# Altium PCB mb1260.PcbDoc (part 4 of 7)
Units mil, origin at the board's own origin, x right, y up, seen from the top; angles counter-clockwise.
Board outline 3189.01 x 3818.89 mil, 6 copper layers (TOP, L2_GND, L3_VCC, L4_SIG, L5_GND, BOTTOM), stack 62.2 mil thick; 308 components, 287 nets, 1220 pads, 851 vias.
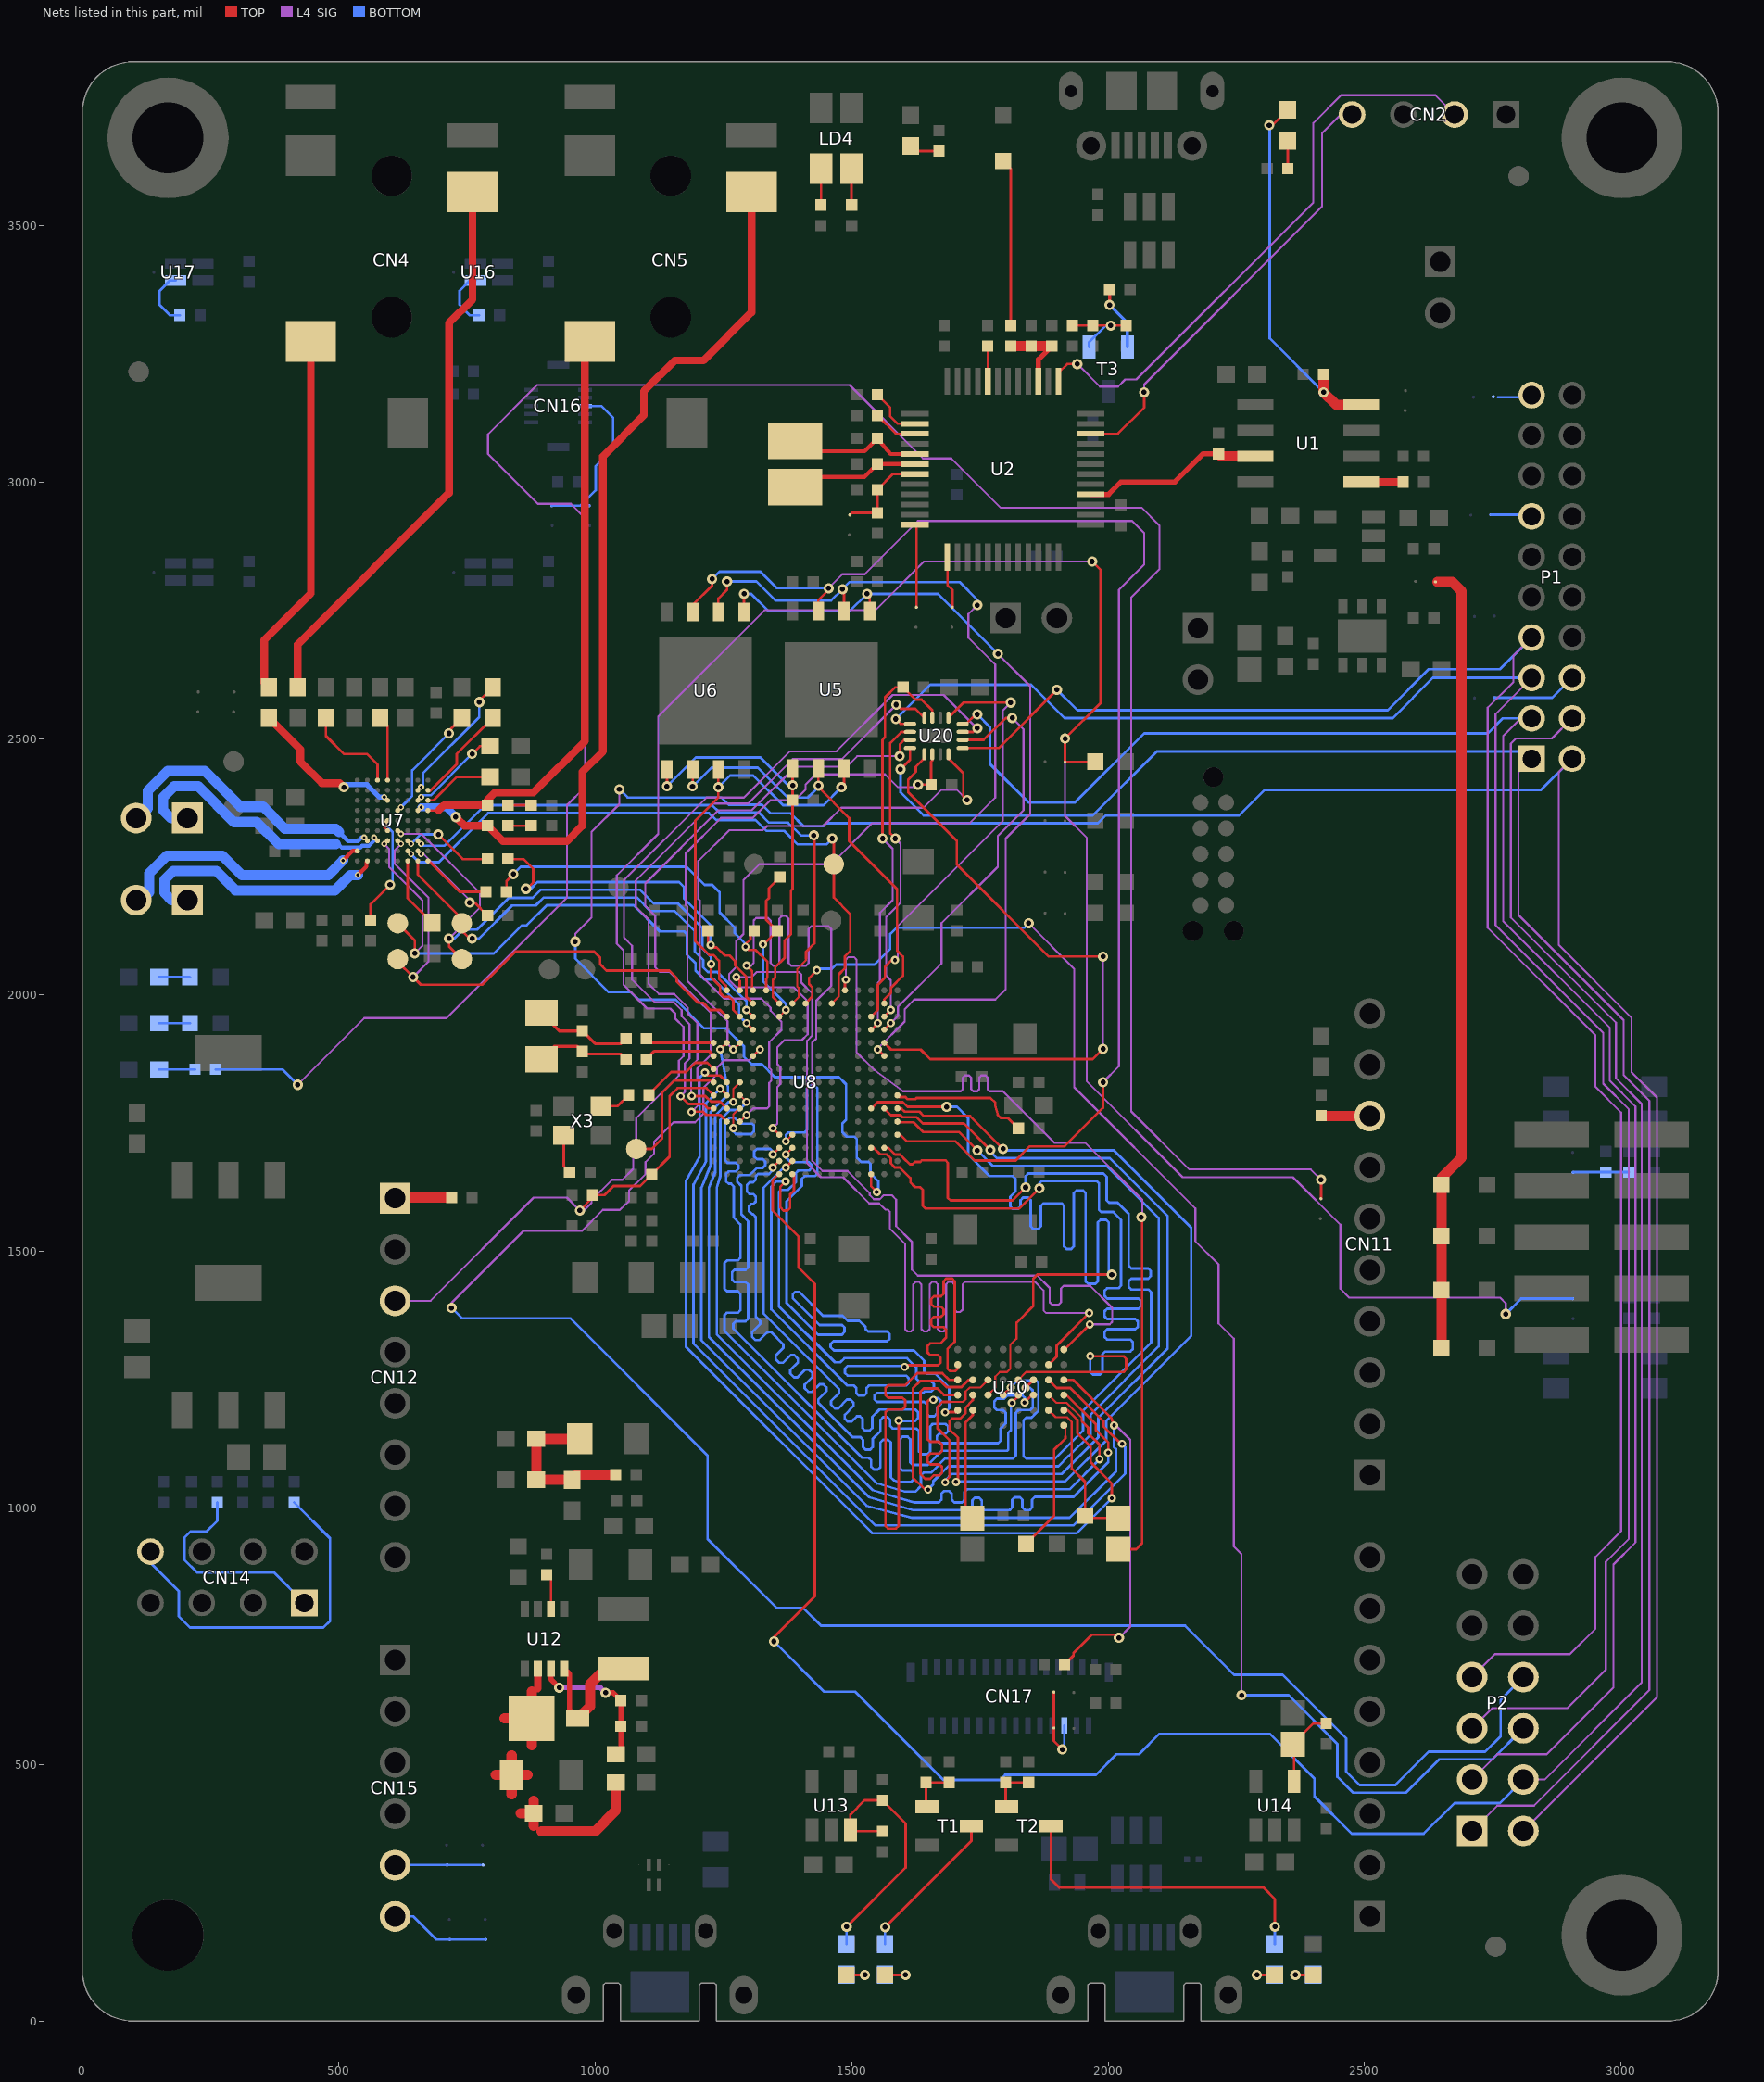
[diagram p8: the nets of this part, all layers, seen from the top]

## Via types
v1: diameter 24, hole 12, TOP to BOTTOM, tented both sides, 389 vias
v2: diameter 20, hole 10, TOP to BOTTOM, tented both sides, 231 vias
v3: diameter 16, hole 8, TOP to BOTTOM, tented both sides, 196 vias
v4: diameter 12, hole 6, TOP to BOTTOM, tented both sides, 35 vias

## Nets (pads, with @x,y where several pads share a name; then routed paths per layer and width w, separated by ;. In a path a pad name is that pad's centre, name@x,y a point inside that pad or via, vN(x,y) a via of type N, cw(c..) or ccw(c..) an arc to the next point about the centre after c; other vN are vias at no path point) (continued)
NETC18_2: C18.2 CN4.4 | length 1106.2
  TOP w15: C18.2@420,2600 420,2683.37 715,2978.37 715,3310 760.63,3355.63 CN4.4@760.63,3565.11
NETC19_2: C19.2 U7.C9 | length 189.2
  TOP w5: C19.2@475,2540 475,2505 510,2470 555,2470 575.47,2449.53 U7.C9@575.47,2418.74
NETC21_1: C21.1 U7.D9 | length 127.5
  TOP w5: C21.1@580,2540 595.16,2524.84 U7.D9@595.16,2418.74
NETC24_1: C24.1 U7.E6 | length 232.2
  TOP w5: U7.E6@614.84,2359.69 v4(621.14,2365.99) ; v2(715,2510) 715,2515 C24.1@740,2540
  BOTTOM w5: v4(621.14,2365.99) 643,2387.85 643,2438 v2(715,2510)
NETC25_1: C25.1 U7.H8 | length 196.2
  TOP w5: U7.H8@673.9,2399.06 679.06,2399.06 730,2450 730,2470 C25.1@800,2540
NETC25_2: C25.2 U7.G8 | length 261.3
  TOP w5: U7.G8@654.21,2399.06 v4(660.51,2405.36) ; v2(774,2571) 774,2574 C25.2@800,2600
  BOTTOM w5: v4(660.51,2405.36) 664.05,2408.9 664.05,2432.05 774,2542 v2(774,2571)
NETC26_1: C26.1 U7.G7 | length 184.5
  TOP w5: U7.G7@654.21,2379.37 v4(660.51,2385.67) ; v2(760,2470) 775,2485 C26.1@795,2485
  BOTTOM w5: v4(660.51,2385.67) 664.06,2389.22 679.22,2389.22 v2(760,2470)
NETC27_1: C27.1 U7.D7 | length 315.9
  TOP w5: v4(588.86,2385.67) U7.D7@595.16,2379.37
  TOP w15: C27.1@364,2540 425,2479 425,2455 467,2413 502,2413 v2(510,2405)
  BOTTOM w10: v2(510,2405) 515,2410 555,2410 579.33,2385.67 v4(588.86,2385.67)
NETC27_2: C27.2 CN4.6 | length 715.1
  TOP w15: C27.2@364,2600 355,2609 355,2692 445.67,2782.67 CN4.6@445.67,3273.78
NETC28_1: C28.1 U7.H7 | length 140
  TOP w5: U7.H7@673.9,2379.37 684.37,2379.37 730,2425 C28.1@795,2425
NETC30_1: C30.1 CN5.6 U7.H6 | length 1150.8
  TOP w5: U7.H6@673.9,2359.69 694.69,2359.69
  TOP w15: 694.69,2359.69 705,2370 C30.1@790,2370 790,2380 805,2395 880,2395 980,2495 980,3264.1 CN5.6@989.68,3273.78
NETC30_2: C30.2 R31.1 | length 45
  TOP w5: C30.2@830,2370 R31.1@875,2370
NETC32_1: C32.1 CN5.4 U7.G6 | length 1761.1
  TOP w5: U7.G6@654.21,2359.69 v4(660.51,2365.99)
  TOP w15: v2@732.57,2342.43 745,2330 C32.1@790,2330 820,2300 945,2300 975,2330 975,2435 1015,2475 1015,3050 1095,3130 1095,3177 1155,3237 1211,3237 1304.64,3330.64 CN5.4@1304.64,3565.11
  BOTTOM w15: v4(660.51,2365.99) 709.01,2365.99 v2(728,2347)
NETC32_2: C32.2 R33.1 | length 45
  TOP w5: C32.2@830,2330 R33.1@875,2330
NETC43_2: C43.2 U7.F1 | length 139.9
  TOP w5: U7.F1@634.53,2261.26 634.53,2188.47 C43.2@682,2141
NETC48_2: C48.2 R49.1 X2.1 | length 194.1
  TOP w6: X2.1@895,1965.28 930.28,1930 C48.2@975,1930 1000,1905 1050,1905 R49.1@1060,1915
NETC51_2: C51.2 R50.1 X2.2 | length 185.8
  TOP w6: X2.2@895,1874.72 920.28,1900 965,1900 C51.2@975,1890 980,1885 1050,1885 R50.1@1060,1875
NETC67_1: C67.1 C69.2 L2.2 L3.2 L4.1 | length 324.1
  TOP w20: C67.1@970,1135 L2.2@885,1135 L3.2@885,1055 L4.1@955,1055 965,1065 C69.2@1040,1065
NETC75_2: C75.2 C76.2 L8.1 U12.6 Z1.2 | length 625
  TOP w15: 888.2,648.2 U12.6@888.2,686.93
  TOP w20: 805.98,480 C75.2@837,480 ; 822.98,590 Z1.2@876,590 ; 837,441.98 C75.2@837,480 ; 837,518.02 C75.2@837,480 ; 854.48,405 C76.2@880,405 ; 868.02,480 C75.2@837,480 ; 876,537.48 Z1.2@876,590 ; 876,642.52 Z1.2@876,590 ; 880,380.98 C76.2@880,405 ; 880,429.02 C76.2@880,405 ; 895,370 1000,370 1040,410 L8.1@1040,465
NETC86_2: C86.2 R90.1 SB33.2 | length 109.2
  BOTTOM w5: SB33.2@2906.19,1654.17 2907.02,1655 C86.2@2970,1655 R90.1@3015,1655
NETCN7_1: CN7.1 U7.C3 | length 568.3
  TOP w5: v4(569.17,2306.93) U7.C3@575.47,2300.63
  BOTTOM w8: 494.4,2294.1 496.79,2294.1 ; 497.4,2293.49 499.59,2293.49 506.05,2287.03 542.03,2287.03 545.66,2290.66 558.54,2290.66 569.17,2301.29 v4(569.17,2306.93)
  BOTTOM w20: CN7.1@205,2345 172.57,2345 157.79,2359.78 157.79,2385.42 179.06,2406.69 226.31,2406.69 296,2337 340,2337 382.9,2294.1 494.4,2294.1
NETCN7_2: CN7.2 U7.B3 | length 570.6
  TOP w5: v4(549.49,2306.93) U7.B3@555.79,2300.63
  BOTTOM w8: 501,2317.4 518.43,2299.97 537.49,2299.97 544.45,2306.93 v4(549.49,2306.93)
  BOTTOM w20: CN7.2@105,2345 108.91,2345 127.89,2363.98 127.89,2397.81 166.67,2436.59 238.7,2436.59 308.39,2366.9 352.39,2366.9 395.29,2324 494.4,2324 501,2317.4
NETCN10_1: CN10.1 U7.B1 | length 524.1
  TOP w8: v4(537.4,2233.87) 553.9,2250.37 553.9,2259.37 U7.B1@555.79,2261.26
  BOTTOM w20: CN10.1@205,2185 174,2185 160,2199 160,2224.71 177.29,2242 261,2242 298.9,2204.1 492.48,2204.1 522.25,2233.87 v4(537.4,2233.87)
NETCN10_2: CN10.2 U7.A2 | length 524
  TOP w8: v4(508.35,2262.34) 526.95,2280.94 U7.A2@536.1,2280.94
  BOTTOM w20: CN10.2@105,2185 115,2185 130.1,2200.1 130.1,2237.1 164.9,2271.9 273.39,2271.9 311.29,2234 480.09,2234 v4(508.35,2262.34) v4(508.35,2262.34)
NETCN11_8: CN11.8 R53.1 | length 95.3
  TOP w20: R53.1@2415,1765 2416.06,1763.94 CN11.8@2509.84,1763.94
NETCN12_1: CN12.1 R58.1 | length 110.6
  TOP w20: CN12.1@609.84,1603.94 610.9,1605 R58.1@720,1605
NETCN14_1: CN14.1 R92.2 | length 425.5
  BOTTOM w5: R92.2@263,1011 263,975 242,954 211,954 199,942 199,899 224,874 373.99,874 CN14.1@432.99,815
NETCN14_8: CN14.8 R97.1 | length 718.3
  BOTTOM w5: CN14.8@132.99,915 132.99,893.01 188,838 188,789 210,767 470,767 483,780 483,941 R97.1@413,1011
NETCN15_5: CN15.5 SB35.2 SB36.2 | length 166.4
  BOTTOM w5: CN15.5@609.84,303.94 610.07,304.17 SB36.2@711.19,304.17 776.19,304.17
NETCN15_6: CN15.6 SB37.2 SB38.2 | length 195.2
  BOTTOM w5: CN15.6@609.84,203.94 645,203.94 689.91,159.03 SB38.2@716.39,159.03 SB37.2@786.39,159.03
NETCN16_8: CN16.8 SB2.1 SB4.1 | length 335.5
  BOTTOM w5: SB2.1@915.17,2953.77 970.85,2953.77 ; CN16.8@979.91,3148.16 1011.84,3148.16 1035,3125 1035,3065 1000.84,3030.84 1000.84,2983.76 970.85,2953.77 ; SB4.1@988.17,2953.77 970.85,2953.77
NETCN17_24: CN17.24 SB15.2 SB16.2 | length 166.6
  TOP w5: SB15.2@1894.17,641.19 SB16.2@1894.17,571.19 1894.17,545.83 v2(1910.55,529.45)
  BOTTOM w5: v2(1910.55,529.45) 1914.45,533.35 CN17.24@1914.45,575.91
NETD1_2: D1.2 R4.2 | length 326.9
  TOP w5: D1.2@1795,3625.71 1810,3610.71 R4.2@1810,3305
NETD2_2: D2.2 D3.2 D4.2 D5.2 SB7.1 | length 1545.5
  TOP w20: 2642.33,2805.33 2670.67,2805.33 2689,2787 2689,1683 2649.71,1643.71 D5.2@2649.71,1630 D4.2@2649.71,1530 D3.2@2649.71,1425 D2.2@2649.71,1312
NETL6_2: L6.2 U12.8 Z1.1 | length 262.3
  TOP w10: U12.8@939.39,686.93 950,676.32 950,606 Z1.1@966,590
  TOP w20: Z1.1@966,590 990,614 990,657 1020,687 L6.2@1055,687
NETL7_2: L7.2 R69.2 R71.2 U12.7 | length 283.1
  TOP w10: U12.7@913.8,686.93 913.8,666.2 v2(930,650) ; v2(1020,640) 1035,640 R69.2@1050,625 R71.2@1050,575 1050,530 L7.2@1040,520
  L4_SIG w10: v2(930,650) 1010,650 v2(1020,640)
NETLD1_1: LD1.1 R12.1 | length 70
  BOTTOM w5: LD1.1@150,1855 R12.1@220,1855
NETLD2_1: LD2.1 R1.2 | length 59.1
  TOP w5: LD2.1@1615,3655 1625,3645 R1.2@1670,3645
NETLD3_1: LD3.1 R2.1 | length 55
  TOP w5: R2.1@2350,3610.59 LD3.1@2350,3665.59
NETLD3_2: LD3.2 R15.1 U1.8 | length 731.6
  TOP w5: v2(2314,3695.59) 2320,3695.59 LD3.2@2350,3725.59
  TOP w20: R15.1@2420,3210 v2(2420,3175) 2445,3150 U1.8@2493.3,3150
  BOTTOM w5: v2(2314,3695.59) 2315,3694.59 2315,3280 v2(2420,3175)
NETLD4_2: LD4.2 R14.2 | length 71.1
  TOP w5: LD4.2@1499.53,3610.94 1499.53,3540.47 R14.2@1500,3540
NETLD4_3: LD4.3 R13.2 | length 71.1
  TOP w5: R13.2@1440,3540 1440.47,3540.47 LD4.3@1440.47,3610.94
NETLD5_1: LD5.1 R47.2 | length 60
  BOTTOM w5: LD5.1@150,2035 R47.2@210,2035
NETLD6_1: LD6.1 R48.2 | length 60
  BOTTOM w5: LD6.1@150,1945 R48.2@210,1945
NETLD7_1: LD7.1 R81.2 | length 72
  TOP w5: R81.2@1490,90 v2(1526,90)
  BOTTOM w5: LD7.1@1490,90 v2(1526,90)
NETLD7_2: LD7.2 R78.1 R80.2 U13.3 | length 513.9
  TOP w5: v2(1490,184) 1605,299 1605,385 R78.1@1560,430 1525,430 1497.4,402.4 U13.3@1497.4,372.76 1499.33,370.38 1499.64,370 R80.2@1560,370
  BOTTOM w5: LD7.2@1490,150 v2(1490,184)
NETLD8_1: LD8.1 R82.1 | length 80
  TOP w5: R82.1@1565,90 v2(1605,90)
  BOTTOM w5: LD8.1@1565,90 v2(1605,90)
NETLD8_2: LD8.2 T1.3 | length 299.7
  TOP w5: v2(1565,183) 1733.31,351.31 T1.3@1733.31,380
  BOTTOM w5: LD8.2@1565,150 v2(1565,183)
NETLD9_1: LD9.1 R83.1 | length 70
  TOP w5: v2(2290,90) R83.1@2325,90
  BOTTOM w5: v2(2290,90) LD9.1@2325,90
NETLD9_2: LD9.2 T2.3 | length 644
  TOP w5: T2.3@1888.31,380 1888.31,276.69 1905,260 2303,260 2325,238 v2(2325,184)
  BOTTOM w5: LD9.2@2325,150 v2(2325,184)
NETLD10_1: LD10.1 R84.1 | length 70
  TOP w5: v2(2365,90) R84.1@2400,90
  BOTTOM w5: v2(2365,90) LD10.1@2400,90
NETR3_2: R3.2 U2.44 | length 68.9
  TOP w5: R3.2@1765,3265 1765.47,3264.53 U2.44@1765.47,3196.26
NETR7_1: R7.1 R8.2 R11.2 T3.1 | length 170.1
  TOP w5: R7.1@1930,3305 R8.2@1970,3305 v2(2005,3305) R11.2@2035,3305
  BOTTOM w5: T3.1@1962.6,3263.31 1962.6,3272.6 1995,3305 v2(2005,3305)
NETR10_1: R10.1 T3.2 | length 126.1
  TOP w6.1: v2(2002.6,3345) R10.1@2002.6,3375
  BOTTOM w6.1: v2(2002.6,3345) 2037.4,3310.2 T3.2@2037.4,3263.31
NETR12_2: R12.2 SB14.1 | length 4971.4
  TOP w5: SB14.1@2415,1603.01 v2(2415,1640)
  L4_SIG w4: v2(420,1825) 550,1955 710,1955 945,2190 945,2370 980,2405 980,2930 952.67,2957.33 888.13,2957.33 790.94,3054.52 790.94,3092.96 886.98,3189 1496,3189 1639,3046 1694,3046 1790,2950 2065,2950 2100,2915 2100,2830 2045,2775 2045,1773 2158,1660 2395,1660 v2(2415,1640)
  BOTTOM w5: R12.2@260,1855 390,1855 v2(420,1825)
NETR17_2: R17.2 U2.2 | length 107.1
  TOP w5: R17.2@1550,3170 1575,3145 1575,3128 1589.42,3113.58 U2.2@1623.74,3113.58
NETR19_2: R19.2 U2.3 | length 88.7
  TOP w5: R19.2@1550,3130 1586.1,3093.9 U2.3@1623.74,3093.9
NETR22_1: R22.1 U1.5 | length 81.7
  TOP w15: U1.5@2493.3,3000 R22.1@2575,3000
NETR35_2: R35.2 U7.F3 | length 185.7
  TOP w5: U7.F3@634.53,2300.63 v4(640.83,2294.33) ; v2(694,2313) 742,2265 R35.2@790,2265
  BOTTOM w5: v4(640.83,2294.33) 659.5,2313 v2(694,2313)
NETR39_2: R39.2 U7.H1 | length 138.1
  TOP w5: U7.H1@673.9,2261.26 675.15,2260.01 676.68,2260.01 735.69,2201 R39.2@787,2201
NETR41_2: R41.2 U7.G2 | length 191
  TOP w5: U7.G2@654.21,2280.94 v4(660.51,2274.64) ; v2(755,2180) 765,2180 R41.2@790,2155
  L4_SIG w4: v4(660.51,2274.64) 665.52,2274.64 755,2185.16 v2(755,2180)
NETR46_1: R46.1 U7.D4 U7.D5 | length 237.1
  TOP w5: R46.1@562,2146 562,2177 v2(600,2215) ; U7.D4@595.16,2320.31 588.85,2326.62 v4(588.85,2333.7) U7.D5@595.16,2340
  BOTTOM w5: v4(588.85,2333.7) 605,2317.55 605,2220 v2(600,2215)
NETR55_2: R55.2 X3.1 | length 76.2
  TOP w5: X3.1@938.58,1726.46 938.58,1666.42 R55.2@950,1655
NETR63_1: R63.1 R65.2 U10.B5 | length 315.2
  TOP w4: U10.B5@1883.82,1190.71 1897.53,1177 1920,1177 1929,1168 1929,1145
  TOP w5: 1929,1145 1929,1077 1955,1051 R63.1@1955,985 1959.49,980.51 R65.2@2020,980.51
NETR64_2: R64.2 U10.G5 | length 221.5
  TOP w5: R64.2@1735,980.51 1722,993.51 1722,1167 1736.18,1181.18 U10.G5@1736.18,1190.71
NETR67_2: R67.2 U12.2 | length 70.6
  TOP w5: R67.2@905,870 913.8,861.2 U12.2@913.8,803.07
NETR72_2: R72.2 R73.1 U14.4 | length 155.3
  TOP w5: U14.4@2362.4,467.24 2362.4,537.09 R72.2@2360,539.49 2360,540 2400,580 R73.1@2425,580
NETR74_1: R74.1 R75.1 T1.1 | length 93.3
  TOP w5: T1.1@1646.69,417.4 1645,419.09 R74.1@1645,465 R75.1@1690,465
NETR76_2: R76.2 R77.1 T2.1 | length 93.3
  TOP w5: T2.1@1801.69,417.4 1800,419.09 R76.2@1800,465 R77.1@1845,465
NETR85_1: R85.1 U16.2 | length 113.7
  BOTTOM w5: U16.2@766.5,3392.68 755.29,3392.68 735.29,3372.68 735.29,3345.32 755.61,3325 R85.1@773.74,3325
NETR86_1: R86.1 U17.2 | length 114.6
  BOTTOM w5: U17.2@181.89,3392.68 170.68,3392.68 150.68,3372.68 150.68,3345.32 171,3325 R86.1@190,3325
NETR100_1: R100.1 U10.A6 | length 264.2
  TOP w4: U10.A6@1913.35,1161.18 1916.5,1158.03 1916.5,1140
  TOP w5: R100.1@1840,930 1894.51,984.51 1894.51,1113.51 1916.5,1135.5 1916.5,1140
NRST: C93.2 CN12.3 R28.2 R57.1 SB10.2 SB34.1 U8.J1 | length 5444.3
  TOP w5: v2(970,1580) 995,1605 C93.2@995,1610 1018.17,1610 1035.67,1627.5 1087.5,1627.5 R57.1@1110,1650 1145,1685 1145,1803 1160.5,1818.5 1216.78,1818.5 U8.J1@1230.87,1804.41 ; v2(1969,2845) 1985,2829 1985,2569.17 v2(1915.83,2500) SB10.2@1915.83,2453.81 1973.81,2453.81 R28.2@1975,2455
  L4_SIG w4: CN12.3@609.84,1403.94 678.94,1403.94 880,1605 945,1605 v2(970,1580) 978.02,1580 993,1594.98 993,1599.98 1033.02,1640 1053.1,1640 1074.03,1660.93 1074.03,1684.09 1080,1690.06 1080,1760 1163,1843 1163,1871.94 1172,1880.94 1172,1938 1156.35,1953.65 1156.35,1963.78 1146.4,1973.73 1101.27,1973.73 1055,2020 1055,2087 1042,2100 1042,2233 1123,2314 1123,2543 1330,2750 1546,2750 1641,2845 v2(1969,2845) ; v2(1915.83,2500) 1915.83,2349.17 1958,2307 1958,1832 2145,1645 2360,1645 2452.5,1552.5 2452.5,1427.5 2470,1410 2764,1410 2775,1399 v2(2775,1378)
  BOTTOM w5: v2(2775,1378) 2805.01,1408.01 SB34.1@2905.33,1408.01
OSC_25M: R51.1 X3.3 | length 62.5
  TOP w5: X3.3@1011.42,1783.54 1043.54,1783.54 R51.1@1065,1805
OSC_IN: C4.2 U2.5 X1.2 | length 266.7
  TOP w8: X1.2@1390,3080.28 1410.28,3060 1525,3060 C4.2@1550,3085 1575.47,3054.53 U2.5@1623.74,3054.53
OSC_OUT: C6.2 U2.6 X1.1 | length 252.5
  TOP w8: X1.1@1390,2989.72 1410,3009.72 1524.72,3009.72 C6.2@1550,3035 1554.84,3034.84 U2.6@1623.74,3034.84
PC14-OSC32_IN: R49.2 U8.E1 | length 134.3
  TOP w6: R49.2@1100,1915 1108.23,1906.77 U8.E1@1230.87,1906.77
PC15-OSC32_OUT: R50.2 U8.F1 | length 141.2
  TOP w6: R50.2@1100,1875 1115.5,1890.5 1221.55,1890.5 U8.F1@1230.87,1881.18
PDRON: R37.2 R45.2 U8.C6 | length 328.5
  TOP w4: U8.C6@1358.82,1957.95 v3(1371.68,1970.81)
  TOP w5: v3(1327,2099) 1329,2099 R45.2@1355,2125 1333.5,2146.5 1333.5,2183.91 1338.5,2188.91 1338.5,2208.5 R37.2@1360,2230
  BOTTOM w5: v3(1327,2099) 1327,2027 1371.68,1982.32 v3(1371.68,1970.81)
PH0-OSCIN: R51.2 U8.G1 | length 158.1
  TOP w5: R51.2@1105,1805 1105,1806.71 1148.29,1850 1177,1850 1195,1868 1218.46,1868 U8.G1@1230.87,1855.59
PH1-OSCOUT: TP15.1 U8.H1 | length 259.9
  TOP w5: TP15.1@1080,1700 1110,1700 1130,1720 1130,1809.22 1154.28,1833.5 1227.37,1833.5 U8.H1@1230.87,1830
PMOD#1: P1.1 P2.1 U20.8 | length 3792.3
  TOP w5: v2(1595,2440) 1613.63,2458.63 U20.8@1613.63,2481.38
  L4_SIG w4: P2.1@2709.33,370.63 2758.7,420 2830,420 3055,645 3055,1793.78 3005,1843.78 3005,1951 2800,2156 2800,2435 P1.1@2825.63,2460.63
  BOTTOM w5: v2(1595,2440) 1595,2395 1640,2350 1970,2350 2095,2475 2811.26,2475 P1.1@2825.63,2460.63
PMOD#2: P1.2 P2.2 U20.16 | length 3697.9
  TOP w5: U20.16@1716.37,2528.62 1723.62,2528.62 1742,2547 v2(1745,2547)
  L4_SIG w4: P2.2@2709.33,470.63 2758.7,520 2855,520 2985,650 2985,890 3028,933 3028,1782.58 2978,1832.58 2978,1936 2770,2144 2770,2505 2804.37,2539.37 P1.2@2825.63,2539.37
  BOTTOM w5: v2(1745,2547) 1770,2522 1770,2450 1845,2375 1935,2375 2070,2510 2740,2510 2769.37,2539.37 P1.2@2825.63,2539.37
PMOD#3: P1.3 P2.3 U20.5 | length 3754.9
  TOP w5: v2(1586,2538) 1595.38,2528.62 U20.5@1613.63,2528.62
  L4_SIG w4: P2.3@2709.33,570.63 2748.7,610 2895,610 2970,685 2970,895 3015,940 3015,1777.19 2965,1827.19 2965,1926 2755,2136 2755,2547.48 P1.3@2825.63,2618.11
  BOTTOM w5: v2(1586,2538) 1653,2605 1850,2605 1915,2540 2555,2540 2633.11,2618.11 P1.3@2825.63,2618.11
PMOD#4: P1.4 P2.4 U20.13 | length 3607.1
  TOP w5: U20.13@1716.37,2481.38 1786.38,2481.38 v2(1900,2595)
  L4_SIG w4: P2.4@2709.33,670.63 2753.7,715 2900,715 2950,765 2950,905 3000,955 3000,1770.97 2950,1820.97 2950,1921 2740,2131 2740,2560 2790,2610 2790,2661.22 P1.4@2825.63,2696.85
  BOTTOM w5: v2(1900,2595) 1940,2555 2545,2555 2625,2635 2763.78,2635 P1.4@2825.63,2696.85
PMOD_GPIO_0: P2.9 U8.B8 | length 2941.3
  TOP w5: U8.B8@1410,1983.54 1423,1996.54 1423,2015 1417,2021 1417,2033 1431.98,2047.98 v3(1431.98,2048.39)
  L4_SIG w4: v2(1845,2140) 1934,2051 1934,1820 2170,1584 2170,1520 2215,1475 2215,1360 2245,1330 2245,925 2260,910 v2(2260,635)
  BOTTOM w5: v3(1431.98,2048.39) 1432.61,2048.39 1435.22,2051 1461,2051 1469.5,2059.5 1544.5,2059.5 1575,2090 1575,2119 1587,2131 1836,2131 v2(1845,2140) ; v2(2260,635) 2352,635 2447,540 2447,476 2478,445 2580,445 2645,510 2748.7,510 P2.9@2809.33,570.63
PMOD_GPIO_1: P2.10 U8.F4 | length 3647.6
  TOP w5: U8.F4@1307.64,1881.18 1308.18,1881.18 v3(1321,1894)
  L4_SIG w4: v2(720,1390) 720,1400 860,1540 974.14,1540 1015.14,1581 1047.88,1581 1059,1592.12 1060,1592.12 1066,1598.12 1066,1618.94 1098.03,1650.97 1098.03,1674.13 1115,1691.1 1115,1714.27 1152.73,1752 1194.61,1752 1211,1768.39 1211,1819 1237,1845 1237,1858 1252,1873 1256.36,1873 1262.99,1873.01 1300,1873 v3(1321,1894)
  BOTTOM w5: v2(720,1390) 740,1370 951,1370 1219,1102 1219,939.78 1353.78,805 1405.78,805 1440.28,770.5 2150,770.5 2245.5,675 2340,675 2464,551 2464,486 2490,460 2560,460 2625,525 2735,525 2765,555 2765,626.3 P2.10@2809.33,670.63
PMOD_INT: P1.11 P2.7 U8.R13 | length 5536.4
  TOP w5: U8.R13@1537.95,1650.87 1537.95,1627.05 v3(1549,1616)
  L4_SIG w4: v2(961,2104) 961,2119 993,2151 993,2318 1047,2372 v2(1047,2401) ; P2.7@2809.33,370.63 3070,631.3 3070,1800 3020,1850 3020,1956 2878.37,2097.63 2878.37,2434.63 P1.11@2904.37,2460.63
  BOTTOM w5: v2(961,2104) 961,2071 1026.5,2005.5 1069.5,2005.5 1084.5,1990.5 1157.06,1990.5 1212.57,1934.99 1255.01,1934.99 1290,1900 1290,1880 1305,1865 1325,1865 1350,1840 1475,1840 1489,1826 1489,1757 1482,1750 1482,1732 1490,1724 1505,1724 1510,1719 1510,1683 1518.31,1674.69 1532.55,1674.69 1536.24,1671 1536.24,1652.76 1552,1637 1552,1619 v3(1549,1616) ; v2(1047,2401) 1063,2385 1246,2385 1260,2371 1325.08,2371 1342.08,2354 1381,2354 1406.04,2328.96 1443.96,2328.96 1450,2335 1980,2335 1995,2350 2255,2350 2305,2400 2843.74,2400 P1.11@2904.37,2460.63
PMOD_RESET: P1.12 P2.8 U8.R6 | length 5124.8
  TOP w5: v2(1348.53,740) 1348.53,748.53 1428,828 1428,1437 1396.5,1468.5 1396.5,1529.16 1346,1579.66 1346,1639.18 1358.82,1652 U8.R6@1358.82,1650.87
  L4_SIG w4: P2.8@2809.33,470.63 2850.63,470.63 3040,660 3040,1787.56 2990,1837.56 2990,1946 2785,2151 2785,2490 2795,2500 2865,2500 P1.12@2904.37,2539.37
  BOTTOM w5: v2(1348.53,740) 1446.53,642 1506.78,642 1678.78,470 1789,470 1799,480 1976.22,480 2016.22,520 2060,520 2100,560 2315,560 2402,473 2402,438 2475,365 2615,365 2675,425 2763.7,425 P2.8@2809.33,470.63
PMOD_SEL_0: R102.1 U8.D13 U20.3 | length 808.9
  TOP w5: U8.D13@1537.95,1932.36 v3(1550.81,1945.22) ; v2(1560,2305) 1560,2497.44 1565,2502.44 1565,2580 1585,2600 R102.1@1600,2600 1624,2576 1636.13,2576 1657.13,2555 U20.3@1657.13,2540.62
  L4_SIG w4: v3(1550.81,1945.22) 1550.81,2023.47 1555,2027.66 1555,2160 1580,2185 1580,2285 v2(1560,2305)
PMOD_SEL_1: R29.2 U8.E3 U20.10 | length 1063.8
  TOP w4: v3(1269.13,1893.97) 1268.68,1893.97 1268.68,1893.52 1268.96,1893.52 1282.05,1906.61 U8.E3@1282.05,1906.77
  TOP w5: v2(1629,2410) R29.2@1655,2410 1655,2455 1657.13,2457.13 U20.10@1657.13,2469.38
  L4_SIG w4: v3(1269.13,1893.97) 1258,1905.1 1258,1949 1180,2027 1180,2172 1176,2176 1176,2276 1245,2345 1306.98,2345 1341.44,2379.46 1389.46,2379.46 1410,2400 1410,2410 1430,2430 1565,2430 1590,2405 1625,2405 1630,2410 v2(1629,2410)
PMOD_SPI2_MISO: U8.C14 U20.6 | length 609.8
  TOP w5: U8.C14@1563.54,1957.95 1576.04,1970.45 1576.04,1970.58 v3(1576.25,1970.79) ; v2(1585,2305) 1575,2315 1575,2491.22 1595.91,2512.13 1597.13,2512.13 1597.87,2512.87 U20.6@1613.63,2512.87
  L4_SIG w4: v3(1576.25,1970.79) 1576.25,2028.75 1567,2038 1567,2152 1595,2180 1595,2295 v2(1585,2305)
PMOD_SPI2_MOSI: U8.C13 U20.1 | length 861.9

## Text inside footprints (layer, text, board x,y; h text height)
R70: LIB_UNEVALUATED "1" at 1975,613.6 h16; LIB_UNEVALUATED "2" at 2015,613.6 h16; LIB_UNEVALUATED "Creat : Sofer Tech" at 1889,792 h25; LIB_UNEVALUATED "Sofer Lib Information" at 1859,882 h25; LIB_UNEVALUATED "Ref PN: ***" at 1889,832 h25; LIB_UNEVALUATED "Date  : 2007-11-24" at 1889,752 h25; LIB_UNEVALUATED "Rev   : A4" at 1889,712 h25; LIB_UNEVALUATED "Remark: ***" at 1889,672 h25; LIB_UNEVALUATED "R0402" at 1995,515 h25; LIB_UNEVALUATED "Approved" at 2030,498 h35; ASSEMBLY_TOP "47K_1%_0402" at 1995,522 h20
R71: LIB_UNEVALUATED "1" at 1090,581.4 h16 r180; LIB_UNEVALUATED "2" at 1050,581.4 h16 r180; LIB_UNEVALUATED "Creat : Sofer Tech" at 1176,403 h25 r180; LIB_UNEVALUATED "Sofer Lib Information" at 1206,313 h25 r180; LIB_UNEVALUATED "Ref PN: ***" at 1176,363 h25 r180; LIB_UNEVALUATED "Date  : 2007-11-24" at 1176,443 h25 r180; LIB_UNEVALUATED "Rev   : A4" at 1176,483 h25 r180; LIB_UNEVALUATED "Remark: ***" at 1176,523 h25 r180; LIB_UNEVALUATED "R0402" at 1070,680 h25 r180; LIB_UNEVALUATED "Approved" at 1035,697 h35 r180; ASSEMBLY_TOP "47K_1%_0402" at 1070,673 h20 r180
R72: LIB_UNEVALUATED "2" at 2350,539.49 h25 r270; LIB_UNEVALUATED "1" at 2350,600.51 h25 r270
R73: LIB_UNEVALUATED "1" at 2418.6,580 h16 r270; LIB_UNEVALUATED "2" at 2418.6,540 h16 r270; LIB_UNEVALUATED "Creat : Sofer Tech" at 2597,666 h25 r270; LIB_UNEVALUATED "Sofer Lib Information" at 2687,696 h25 r270; LIB_UNEVALUATED "Ref PN: ***" at 2637,666 h25 r270; LIB_UNEVALUATED "Date  : 2007-11-24" at 2557,666 h25 r270; LIB_UNEVALUATED "Rev   : A4" at 2517,666 h25 r270; LIB_UNEVALUATED "Remark: ***" at 2477,666 h25 r270; LIB_UNEVALUATED "R0402" at 2320,560 h25 r270; LIB_UNEVALUATED "Approved" at 2303,525 h35 r270
R74: LIB_UNEVALUATED "1" at 1651.4,465 h16 r90; LIB_UNEVALUATED "2" at 1651.4,505 h16 r90; LIB_UNEVALUATED "Creat : Sofer Tech" at 1473,379 h25 r90; LIB_UNEVALUATED "Sofer Lib Information" at 1383,349 h25 r90; LIB_UNEVALUATED "Ref PN: ***" at 1433,379 h25 r90; LIB_UNEVALUATED "Date  : 2007-11-24" at 1513,379 h25 r90; LIB_UNEVALUATED "Rev   : A4" at 1553,379 h25 r90; LIB_UNEVALUATED "Remark: ***" at 1593,379 h25 r90; LIB_UNEVALUATED "R0402" at 1750,485 h25 r90; LIB_UNEVALUATED "Approved" at 1767,520 h35 r90
R75: LIB_UNEVALUATED "1" at 1696.4,465 h16 r90; LIB_UNEVALUATED "2" at 1696.4,505 h16 r90; LIB_UNEVALUATED "Creat : Sofer Tech" at 1518,379 h25 r90; LIB_UNEVALUATED "Sofer Lib Information" at 1428,349 h25 r90; LIB_UNEVALUATED "Ref PN: ***" at 1478,379 h25 r90; LIB_UNEVALUATED "Date  : 2007-11-24" at 1558,379 h25 r90; LIB_UNEVALUATED "Rev   : A4" at 1598,379 h25 r90; LIB_UNEVALUATED "Remark: ***" at 1638,379 h25 r90; LIB_UNEVALUATED "R0402" at 1795,485 h25 r90; LIB_UNEVALUATED "Approved" at 1812,520 h35 r90; ASSEMBLY_TOP "47K_1%_0402" at 1788,485 h20 r90
R76: LIB_UNEVALUATED "1" at 1793.6,505 h16 r270; LIB_UNEVALUATED "2" at 1793.6,465 h16 r270; LIB_UNEVALUATED "Creat : Sofer Tech" at 1972,591 h25 r270; LIB_UNEVALUATED "Sofer Lib Information" at 2062,621 h25 r270; LIB_UNEVALUATED "Ref PN: ***" at 2012,591 h25 r270; LIB_UNEVALUATED "Date  : 2007-11-24" at 1932,591 h25 r270; LIB_UNEVALUATED "Rev   : A4" at 1892,591 h25 r270; LIB_UNEVALUATED "Remark: ***" at 1852,591 h25 r270; LIB_UNEVALUATED "R0402" at 1695,485 h25 r270; LIB_UNEVALUATED "Approved" at 1678,450 h35 r270; ASSEMBLY_TOP "47K_1%_0402" at 1702,485 h20 r270
R77: LIB_UNEVALUATED "1" at 1851.4,465 h16 r90; LIB_UNEVALUATED "2" at 1851.4,505 h16 r90; LIB_UNEVALUATED "Creat : Sofer Tech" at 1673,379 h25 r90; LIB_UNEVALUATED "Sofer Lib Information" at 1583,349 h25 r90; LIB_UNEVALUATED "Ref PN: ***" at 1633,379 h25 r90; LIB_UNEVALUATED "Date  : 2007-11-24" at 1713,379 h25 r90; LIB_UNEVALUATED "Rev   : A4" at 1753,379 h25 r90; LIB_UNEVALUATED "Remark: ***" at 1793,379 h25 r90; LIB_UNEVALUATED "R0402" at 1950,485 h25 r90; LIB_UNEVALUATED "Approved" at 1967,520 h35 r90
R78: LIB_UNEVALUATED "1" at 1566.4,430 h16 r90; LIB_UNEVALUATED "2" at 1566.4,470 h16 r90; LIB_UNEVALUATED "Creat : Sofer Tech" at 1388,344 h25 r90; LIB_UNEVALUATED "Sofer Lib Information" at 1298,314 h25 r90; LIB_UNEVALUATED "Ref PN: ***" at 1348,344 h25 r90; LIB_UNEVALUATED "Date  : 2007-11-24" at 1428,344 h25 r90; LIB_UNEVALUATED "Rev   : A4" at 1468,344 h25 r90; LIB_UNEVALUATED "Remark: ***" at 1508,344 h25 r90; LIB_UNEVALUATED "R0402" at 1665,450 h25 r90; LIB_UNEVALUATED "Approved" at 1682,485 h35 r90; ASSEMBLY_TOP "47K_1%_0402" at 1658,450 h20 r90
R79: LIB_UNEVALUATED "1" at 2431.4,375 h16 r90; LIB_UNEVALUATED "2" at 2431.4,415 h16 r90; LIB_UNEVALUATED "Creat : Sofer Tech" at 2253,289 h25 r90; LIB_UNEVALUATED "Sofer Lib Information" at 2163,259 h25 r90; LIB_UNEVALUATED "Ref PN: ***" at 2213,289 h25 r90; LIB_UNEVALUATED "Date  : 2007-11-24" at 2293,289 h25 r90; LIB_UNEVALUATED "Rev   : A4" at 2333,289 h25 r90; LIB_UNEVALUATED "Remark: ***" at 2373,289 h25 r90; LIB_UNEVALUATED "R0402" at 2530,395 h25 r90; LIB_UNEVALUATED "Approved" at 2547,430 h35 r90
R80: LIB_UNEVALUATED "1" at 1566.4,330 h16 r90; LIB_UNEVALUATED "2" at 1566.4,370 h16 r90; LIB_UNEVALUATED "Creat : Sofer Tech" at 1388,244 h25 r90; LIB_UNEVALUATED "Sofer Lib Information" at 1298,214 h25 r90; LIB_UNEVALUATED "Ref PN: ***" at 1348,244 h25 r90; LIB_UNEVALUATED "Date  : 2007-11-24" at 1428,244 h25 r90; LIB_UNEVALUATED "Rev   : A4" at 1468,244 h25 r90; LIB_UNEVALUATED "Remark: ***" at 1508,244 h25 r90; LIB_UNEVALUATED "R0402" at 1665,350 h25 r90; LIB_UNEVALUATED "Approved" at 1682,385 h35 r90; ASSEMBLY_TOP "47K_1%_0402" at 1658,350 h20 r90
R81: LIB_UNEVALUATED "1" at 1483.6,150 h16 r270; LIB_UNEVALUATED "2" at 1483.6,90 h16 r270; LIB_UNEVALUATED "R0603" at 1365,120 h30 r270; LIB_UNEVALUATED "Approved" at 1378,120 h35 r270; LIB_UNEVALUATED "Sofer Lib Information" at 1762,277 h25 r270; LIB_UNEVALUATED "Ref PN: ***" at 1712,247 h25 r270; LIB_UNEVALUATED "Creat : Sofer Tech" at 1672,247 h25 r270; LIB_UNEVALUATED "Date  : 2007-05-10" at 1632,247 h25 r270; LIB_UNEVALUATED "Rev   : B1" at 1592,247 h25 r270; LIB_UNEVALUATED "Remark: ***" at 1552,247 h25 r270
R82: LIB_UNEVALUATED "1" at 1571.4,90 h16 r90; LIB_UNEVALUATED "2" at 1571.4,150 h16 r90; LIB_UNEVALUATED "R0603" at 1690,120 h30 r90; LIB_UNEVALUATED "Approved" at 1677,120 h35 r90; LIB_UNEVALUATED "Sofer Lib Information" at 1293,-37 h25 r90; LIB_UNEVALUATED "Ref PN: ***" at 1343,-7 h25 r90; LIB_UNEVALUATED "Creat : Sofer Tech" at 1383,-7 h25 r90; LIB_UNEVALUATED "Date  : 2007-05-10" at 1423,-7 h25 r90; LIB_UNEVALUATED "Rev   : B1" at 1463,-7 h25 r90; LIB_UNEVALUATED "Remark: ***" at 1503,-7 h25 r90; ASSEMBLY_TOP "620_1%_0603" at 1663,120 h20 r90
R83: LIB_UNEVALUATED "1" at 2331.4,90 h16 r90; LIB_UNEVALUATED "2" at 2331.4,150 h16 r90; LIB_UNEVALUATED "R0603" at 2450,120 h30 r90; LIB_UNEVALUATED "Approved" at 2437,120 h35 r90; LIB_UNEVALUATED "Sofer Lib Information" at 2053,-37 h25 r90; LIB_UNEVALUATED "Ref PN: ***" at 2103,-7 h25 r90; LIB_UNEVALUATED "Creat : Sofer Tech" at 2143,-7 h25 r90; LIB_UNEVALUATED "Date  : 2007-05-10" at 2183,-7 h25 r90; LIB_UNEVALUATED "Rev   : B1" at 2223,-7 h25 r90; LIB_UNEVALUATED "Remark: ***" at 2263,-7 h25 r90; ASSEMBLY_TOP "620_1%_0603" at 2423,120 h20 r90
R84: LIB_UNEVALUATED "1" at 2406.4,90 h16 r90; LIB_UNEVALUATED "2" at 2406.4,150 h16 r90; LIB_UNEVALUATED "R0603" at 2525,120 h30 r90; LIB_UNEVALUATED "Approved" at 2512,120 h35 r90; LIB_UNEVALUATED "Sofer Lib Information" at 2128,-37 h25 r90; LIB_UNEVALUATED "Ref PN: ***" at 2178,-7 h25 r90; LIB_UNEVALUATED "Creat : Sofer Tech" at 2218,-7 h25 r90; LIB_UNEVALUATED "Date  : 2007-05-10" at 2258,-7 h25 r90; LIB_UNEVALUATED "Rev   : B1" at 2298,-7 h25 r90; LIB_UNEVALUATED "Remark: ***" at 2338,-7 h25 r90
R85: LIB_UNEVALUATED "1" at 773.74,3331.4 h16 r180; LIB_UNEVALUATED "2" at 813.74,3331.4 h16 r180; LIB_UNEVALUATED "Creat : Sofer Tech" at 687.74,3153 h25 r180; LIB_UNEVALUATED "Sofer Lib Information" at 657.74,3063 h25 r180; LIB_UNEVALUATED "Ref PN: ***" at 687.74,3113 h25 r180; LIB_UNEVALUATED "Date  : 2007-11-24" at 687.74,3193 h25 r180; LIB_UNEVALUATED "Rev   : A4" at 687.74,3233 h25 r180; LIB_UNEVALUATED "Remark: ***" at 687.74,3273 h25 r180; LIB_UNEVALUATED "R0402" at 793.74,3430 h25 r180; LIB_UNEVALUATED "Approved" at 828.74,3447 h35 r180; ASSEMBLY_TOP "47K_1%_0402" at 793.74,3423 h20 r180
R86: LIB_UNEVALUATED "1" at 190,3331.4 h16 r180; LIB_UNEVALUATED "2" at 230,3331.4 h16 r180; LIB_UNEVALUATED "Creat : Sofer Tech" at 104,3153 h25 r180; LIB_UNEVALUATED "Sofer Lib Information" at 74,3063 h25 r180; LIB_UNEVALUATED "Ref PN: ***" at 104,3113 h25 r180; LIB_UNEVALUATED "Date  : 2007-11-24" at 104,3193 h25 r180; LIB_UNEVALUATED "Rev   : A4" at 104,3233 h25 r180; LIB_UNEVALUATED "Remark: ***" at 104,3273 h25 r180; LIB_UNEVALUATED "R0402" at 210,3430 h25 r180; LIB_UNEVALUATED "Approved" at 245,3447 h35 r180; ASSEMBLY_TOP "47K_1%_0402" at 210,3423 h20 r180
R89: LIB_UNEVALUATED "1" at 3058.6,1655 h16 r270; LIB_UNEVALUATED "2" at 3058.6,1695 h16 r270; LIB_UNEVALUATED "Creat : Sofer Tech" at 3237,1569 h25 r270; LIB_UNEVALUATED "Sofer Lib Information" at 3327,1539 h25 r270; LIB_UNEVALUATED "Ref PN: ***" at 3277,1569 h25 r270; LIB_UNEVALUATED "Date  : 2007-11-24" at 3197,1569 h25 r270; LIB_UNEVALUATED "Rev   : A4" at 3157,1569 h25 r270; LIB_UNEVALUATED "Remark: ***" at 3117,1569 h25 r270; LIB_UNEVALUATED "R0402" at 2960,1675 h25 r270; LIB_UNEVALUATED "Approved" at 2943,1710 h35 r270; ASSEMBLY_TOP "47K_1%_0402" at 2967,1675 h20 r270
R90: LIB_UNEVALUATED "1" at 3008.6,1655 h16 r270; LIB_UNEVALUATED "2" at 3008.6,1695 h16 r270; LIB_UNEVALUATED "Creat : Sofer Tech" at 3187,1569 h25 r270; LIB_UNEVALUATED "Sofer Lib Information" at 3277,1539 h25 r270; LIB_UNEVALUATED "Ref PN: ***" at 3227,1569 h25 r270; LIB_UNEVALUATED "Date  : 2007-11-24" at 3147,1569 h25 r270; LIB_UNEVALUATED "Rev   : A4" at 3107,1569 h25 r270; LIB_UNEVALUATED "Remark: ***" at 3067,1569 h25 r270; LIB_UNEVALUATED "R0402" at 2910,1675 h25 r270; LIB_UNEVALUATED "Approved" at 2893,1710 h35 r270; ASSEMBLY_TOP "47K_1%_0402" at 2917,1675 h20 r270
R91: LIB_UNEVALUATED "1" at 3008.6,1370 h16 r270; LIB_UNEVALUATED "2" at 3008.6,1410 h16 r270; LIB_UNEVALUATED "Creat : Sofer Tech" at 3187,1284 h25 r270; LIB_UNEVALUATED "Sofer Lib Information" at 3277,1254 h25 r270; LIB_UNEVALUATED "Ref PN: ***" at 3227,1284 h25 r270; LIB_UNEVALUATED "Date  : 2007-11-24" at 3147,1284 h25 r270; LIB_UNEVALUATED "Rev   : A4" at 3107,1284 h25 r270; LIB_UNEVALUATED "Remark: ***" at 3067,1284 h25 r270; LIB_UNEVALUATED "R0402" at 2910,1390 h25 r270; LIB_UNEVALUATED "Approved" at 2893,1425 h35 r270; ASSEMBLY_TOP "47K_1%_0402" at 2917,1390 h20 r270
R92: LIB_UNEVALUATED "1" at 269.4,1051 h16 r90; LIB_UNEVALUATED "2" at 269.4,1011 h16 r90; LIB_UNEVALUATED "Creat : Sofer Tech" at 91,1137 h25 r90; LIB_UNEVALUATED "Sofer Lib Information" at 1,1167 h25 r90; LIB_UNEVALUATED "Ref PN: ***" at 51,1137 h25 r90; LIB_UNEVALUATED "Date  : 2007-11-24" at 131,1137 h25 r90; LIB_UNEVALUATED "Rev   : A4" at 171,1137 h25 r90; LIB_UNEVALUATED "Remark: ***" at 211,1137 h25 r90; LIB_UNEVALUATED "R0402" at 368,1031 h25 r90; LIB_UNEVALUATED "Approved" at 385,996 h35 r90; ASSEMBLY_TOP "47K_1%_0402" at 361,1031 h20 r90
R93: LIB_UNEVALUATED "1" at 206.6,1011 h16 r270; LIB_UNEVALUATED "2" at 206.6,1051 h16 r270; LIB_UNEVALUATED "Creat : Sofer Tech" at 385,925 h25 r270; LIB_UNEVALUATED "Sofer Lib Information" at 475,895 h25 r270; LIB_UNEVALUATED "Ref PN: ***" at 425,925 h25 r270; LIB_UNEVALUATED "Date  : 2007-11-24" at 345,925 h25 r270; LIB_UNEVALUATED "Rev   : A4" at 305,925 h25 r270; LIB_UNEVALUATED "Remark: ***" at 265,925 h25 r270; LIB_UNEVALUATED "R0402" at 108,1031 h25 r270; LIB_UNEVALUATED "Approved" at 91,1066 h35 r270; ASSEMBLY_TOP "47K_1%_0402" at 115,1031 h20 r270
R94: LIB_UNEVALUATED "1" at 356.6,1011 h16 r270; LIB_UNEVALUATED "2" at 356.6,1051 h16 r270; LIB_UNEVALUATED "Creat : Sofer Tech" at 535,925 h25 r270; LIB_UNEVALUATED "Sofer Lib Information" at 625,895 h25 r270; LIB_UNEVALUATED "Ref PN: ***" at 575,925 h25 r270; LIB_UNEVALUATED "Date  : 2007-11-24" at 495,925 h25 r270; LIB_UNEVALUATED "Rev   : A4" at 455,925 h25 r270; LIB_UNEVALUATED "Remark: ***" at 415,925 h25 r270; LIB_UNEVALUATED "R0402" at 258,1031 h25 r270; LIB_UNEVALUATED "Approved" at 241,1066 h35 r270; ASSEMBLY_TOP "47K_1%_0402" at 265,1031 h20 r270
R95: LIB_UNEVALUATED "1" at 306.6,1011 h16 r270; LIB_UNEVALUATED "2" at 306.6,1051 h16 r270; LIB_UNEVALUATED "Creat : Sofer Tech" at 485,925 h25 r270; LIB_UNEVALUATED "Sofer Lib Information" at 575,895 h25 r270; LIB_UNEVALUATED "Ref PN: ***" at 525,925 h25 r270; LIB_UNEVALUATED "Date  : 2007-11-24" at 445,925 h25 r270; LIB_UNEVALUATED "Rev   : A4" at 405,925 h25 r270; LIB_UNEVALUATED "Remark: ***" at 365,925 h25 r270; LIB_UNEVALUATED "R0402" at 208,1031 h25 r270; LIB_UNEVALUATED "Approved" at 191,1066 h35 r270; ASSEMBLY_TOP "47K_1%_0402" at 215,1031 h20 r270
R96: LIB_UNEVALUATED "1" at 151.6,1011 h16 r270; LIB_UNEVALUATED "2" at 151.6,1051 h16 r270; LIB_UNEVALUATED "Creat : Sofer Tech" at 330,925 h25 r270; LIB_UNEVALUATED "Sofer Lib Information" at 420,895 h25 r270; LIB_UNEVALUATED "Ref PN: ***" at 370,925 h25 r270; LIB_UNEVALUATED "Date  : 2007-11-24" at 290,925 h25 r270; LIB_UNEVALUATED "Rev   : A4" at 250,925 h25 r270; LIB_UNEVALUATED "Remark: ***" at 210,925 h25 r270; LIB_UNEVALUATED "R0402" at 53,1031 h25 r270; LIB_UNEVALUATED "Approved" at 36,1066 h35 r270; ASSEMBLY_TOP "47K_1%_0402" at 60,1031 h20 r270
R97: LIB_UNEVALUATED "1" at 406.6,1011 h16 r270; LIB_UNEVALUATED "2" at 406.6,1051 h16 r270; LIB_UNEVALUATED "Creat : Sofer Tech" at 585,925 h25 r270; LIB_UNEVALUATED "Sofer Lib Information" at 675,895 h25 r270; LIB_UNEVALUATED "Ref PN: ***" at 625,925 h25 r270; LIB_UNEVALUATED "Date  : 2007-11-24" at 545,925 h25 r270; LIB_UNEVALUATED "Rev   : A4" at 505,925 h25 r270; LIB_UNEVALUATED "Remark: ***" at 465,925 h25 r270; LIB_UNEVALUATED "R0402" at 308,1031 h25 r270; LIB_UNEVALUATED "Approved" at 291,1066 h35 r270; ASSEMBLY_TOP "47K_1%_0402" at 315,1031 h20 r270
R98: LIB_UNEVALUATED "1" at 1228.6,350 h16 r90; LIB_UNEVALUATED "2" at 1228.6,280 h16 r90; LIB_UNEVALUATED "Approved" at 1123,315 h35 r90; LIB_UNEVALUATED "R0805" at 1250,315 h30 r90
R99: LIB_UNEVALUATED "2" at 1894.49,325 h25; LIB_UNEVALUATED "1" at 1955.51,325 h25
R100: LIB_UNEVALUATED "1" at 1840,923.6 h16; LIB_UNEVALUATED "2" at 1900,923.6 h16; LIB_UNEVALUATED "R0603" at 1870,805 h30; LIB_UNEVALUATED "Approved" at 1870,818 h35; LIB_UNEVALUATED "Sofer Lib Information" at 1713,1202 h25; LIB_UNEVALUATED "Ref PN: ***" at 1743,1152 h25; LIB_UNEVALUATED "Creat : Sofer Tech" at 1743,1112 h25; LIB_UNEVALUATED "Date  : 2007-05-10" at 1743,1072 h25; LIB_UNEVALUATED "Rev   : B1" at 1743,1032 h25; LIB_UNEVALUATED "Remark: ***" at 1743,992 h25; ASSEMBLY_TOP "620_1%_0603" at 1870,832 h20
R101: LIB_UNEVALUATED "1" at 1915,701.4 h16 r180; LIB_UNEVALUATED "2" at 1875,701.4 h16 r180; LIB_UNEVALUATED "Creat : Sofer Tech" at 2001,523 h25 r180; LIB_UNEVALUATED "Sofer Lib Information" at 2031,433 h25 r180; LIB_UNEVALUATED "Ref PN: ***" at 2001,483 h25 r180; LIB_UNEVALUATED "Date  : 2007-11-24" at 2001,563 h25 r180; LIB_UNEVALUATED "Rev   : A4" at 2001,603 h25 r180; LIB_UNEVALUATED "Remark: ***" at 2001,643 h25 r180; LIB_UNEVALUATED "R0402" at 1895,800 h25 r180; LIB_UNEVALUATED "Approved" at 1860,817 h35 r180; ASSEMBLY_TOP "47K_1%_0402" at 1895,793 h20 r180
R102: LIB_UNEVALUATED "1" at 1600,2593.6 h16; LIB_UNEVALUATED "2" at 1640,2593.6 h16; LIB_UNEVALUATED "Creat : Sofer Tech" at 1514,2772 h25; LIB_UNEVALUATED "Sofer Lib Information" at 1484,2862 h25; LIB_UNEVALUATED "Ref PN: ***" at 1514,2812 h25; LIB_UNEVALUATED "Date  : 2007-11-24" at 1514,2732 h25; LIB_UNEVALUATED "Rev   : A4" at 1514,2692 h25; LIB_UNEVALUATED "Remark: ***" at 1514,2652 h25; LIB_UNEVALUATED "R0402" at 1620,2495 h25; LIB_UNEVALUATED "Approved" at 1655,2478 h35; ASSEMBLY_TOP "47K_1%_0402" at 1620,2502 h20
SB1: LIB_UNEVALUATED "1" at 225.33,2545.59 h16 r90; LIB_UNEVALUATED "2" at 226.19,2584.43 h16 r90
SB2: LIB_UNEVALUATED "1" at 915.17,2960.17 h16 r90; LIB_UNEVALUATED "2" at 916.03,2921.33 h16 r90
SB3: LIB_UNEVALUATED "1" at 2579.67,3184.41 h16 r270; LIB_UNEVALUATED "2" at 2578.81,3145.57 h16 r270
SB4: LIB_UNEVALUATED "1" at 988.17,2960.17 h16 r90; LIB_UNEVALUATED "2" at 989.03,2921.33 h16 r90
SB5: LIB_UNEVALUATED "1" at 295.33,2545.59 h16 r90; LIB_UNEVALUATED "2" at 296.19,2584.43 h16 r90
SB6: LIB_UNEVALUATED "1" at 1495.33,2890.59 h16 r90; LIB_UNEVALUATED "2" at 1496.19,2929.43 h16 r90
SB7: LIB_UNEVALUATED "1" at 2644.41,2805.33 h16 r180; LIB_UNEVALUATED "2" at 2605.57,2806.19 h16 r180
SB8: LIB_UNEVALUATED "1" at 1625.33,2710.59 h16 r90; LIB_UNEVALUATED "2" at 1626.19,2749.43 h16 r90
SB9: LIB_UNEVALUATED "1" at 1695.33,2710.59 h16 r90; LIB_UNEVALUATED "2" at 1696.19,2749.43 h16 r90
SB10: LIB_UNEVALUATED "1" at 1870.59,2454.67 h16; LIB_UNEVALUATED "2" at 1909.43,2453.81 h16
SB11: LIB_UNEVALUATED "1" at 1870.59,2339.67 h16; LIB_UNEVALUATED "2" at 1909.43,2338.81 h16
SB12: LIB_UNEVALUATED "1" at 1870.59,2239.67 h16; LIB_UNEVALUATED "2" at 1909.43,2238.81 h16
SB13: LIB_UNEVALUATED "1" at 1870.59,2159.67 h16; LIB_UNEVALUATED "2" at 1909.43,2158.81 h16
SB14: LIB_UNEVALUATED "1" at 2414.67,1609.41 h16 r270; LIB_UNEVALUATED "2" at 2413.81,1570.57 h16 r270
SB15: LIB_UNEVALUATED "1" at 1939.41,640.33 h16 r180; LIB_UNEVALUATED "2" at 1900.57,641.19 h16 r180
SB16: LIB_UNEVALUATED "1" at 1939.41,570.33 h16 r180; LIB_UNEVALUATED "2" at 1900.57,571.19 h16 r180
SB25: LIB_UNEVALUATED "1" at 2700.59,2935.33 h16 r180; LIB_UNEVALUATED "2" at 2739.43,2936.19 h16 r180
SB27: LIB_UNEVALUATED "1" at 2705.59,3165.33 h16 r180; LIB_UNEVALUATED "2" at 2744.43,3166.19 h16 r180
SB28: LIB_UNEVALUATED "1" at 2759.41,2579.67 h16; LIB_UNEVALUATED "2" at 2720.57,2578.81 h16
SB29: LIB_UNEVALUATED "1" at 2759.41,2738.67 h16; LIB_UNEVALUATED "2" at 2720.57,2737.81 h16
SB33: LIB_UNEVALUATED "1" at 2905.33,1699.41 h16 r90; LIB_UNEVALUATED "2" at 2906.19,1660.57 h16 r90
SB34: LIB_UNEVALUATED "1" at 2905.33,1414.41 h16 r90; LIB_UNEVALUATED "2" at 2906.19,1375.57 h16 r90
SB35: LIB_UNEVALUATED "1" at 780.33,349.41 h16 r90; LIB_UNEVALUATED "2" at 781.19,310.57 h16 r90
SB36: LIB_UNEVALUATED "1" at 710.33,349.41 h16 r90; LIB_UNEVALUATED "2" at 711.19,310.57 h16 r90
SB37: LIB_UNEVALUATED "1" at 785.53,204.27 h16 r90; LIB_UNEVALUATED "2" at 786.39,165.43 h16 r90
SB38: LIB_UNEVALUATED "1" at 715.53,204.27 h16 r90; LIB_UNEVALUATED "2" at 716.39,165.43 h16 r90
T1: LIB_UNEVALUATED "Approved" at 1589.67,391.67 h35 r180; LIB_UNEVALUATED "SOT-23" at 1611,495 h35 r180; LIB_UNEVALUATED "Sofer Lib Information" at 1905,65 h25 r180; LIB_UNEVALUATED "Remark: Updated pin size by Jacky" at 1875,275 h25 r180; LIB_UNEVALUATED "Rev   : B2" at 1875,235 h25 r180; LIB_UNEVALUATED "Date  : 2009-09-28" at 1875,195 h25 r180; LIB_UNEVALUATED "Creat : Yuki" at 1875,155 h25 r180; LIB_UNEVALUATED "Ref PN: DS2411" at 1875,115 h25 r180; LIB_UNEVALUATED "2" at 1645.63,347.93 h16 r180; LIB_UNEVALUATED "3" at 1732.24,385.33 h16 r180; LIB_UNEVALUATED "1" at 1645.63,422.74 h16 r180
T2: LIB_UNEVALUATED "Approved" at 1744.67,391.67 h35 r180; LIB_UNEVALUATED "SOT-23" at 1766,495 h35 r180; LIB_UNEVALUATED "Sofer Lib Information" at 2060,65 h25 r180; LIB_UNEVALUATED "Remark: Updated pin size by Jacky" at 2030,275 h25 r180; LIB_UNEVALUATED "Rev   : B2" at 2030,235 h25 r180; LIB_UNEVALUATED "Date  : 2009-09-28" at 2030,195 h25 r180; LIB_UNEVALUATED "Creat : Yuki" at 2030,155 h25 r180; LIB_UNEVALUATED "Ref PN: DS2411" at 2030,115 h25 r180; LIB_UNEVALUATED "2" at 1800.63,347.93 h16 r180; LIB_UNEVALUATED "3" at 1887.24,385.33 h16 r180; LIB_UNEVALUATED "1" at 1800.63,422.74 h16 r180
T3: LIB_UNEVALUATED "Approved" at 1988.33,3320.33 h35 r270; LIB_UNEVALUATED "SOT-23" at 1885,3299 h35 r270; LIB_UNEVALUATED "Sofer Lib Information" at 2315,3005 h25 r270; LIB_UNEVALUATED "Remark: Updated pin size by Jacky" at 2105,3035 h25 r270; LIB_UNEVALUATED "Rev   : B2" at 2145,3035 h25 r270; LIB_UNEVALUATED "Date  : 2009-09-28" at 2185,3035 h25 r270; LIB_UNEVALUATED "Creat : Yuki" at 2225,3035 h25 r270; LIB_UNEVALUATED "Ref PN: DS2411" at 2265,3035 h25 r270; LIB_UNEVALUATED "2" at 2032.07,3264.37 h16 r270; LIB_UNEVALUATED "3" at 1994.67,3177.76 h16 r270; LIB_UNEVALUATED "1" at 1957.26,3264.37 h16 r270
TP1: LIB_UNEVALUATED "Approved" at 153,2470 h35 r180; LIB_UNEVALUATED "Remark: ***" at 421,2388 h25 r180; LIB_UNEVALUATED "Rev   : A3" at 421,2348 h25 r180; LIB_UNEVALUATED "Date  : 2009-07-07" at 421,2308 h25 r180; LIB_UNEVALUATED "Ref PN: ***" at 421,2228 h25 r180; LIB_UNEVALUATED "Sofer Lib Information" at 451,2178 h25 r180; LIB_UNEVALUATED "Creat : Sofer Tech" at 421,2268 h25 r180; LIB_UNEVALUATED "1" at 288.6,2455 h16 r180
TP2: LIB_UNEVALUATED "1" at 288.6,2365 h16 r180; LIB_UNEVALUATED "Creat : Sofer Tech" at 421,2178 h25 r180; LIB_UNEVALUATED "Sofer Lib Information" at 451,2088 h25 r180; LIB_UNEVALUATED "Ref PN: ***" at 421,2138 h25 r180; LIB_UNEVALUATED "Date  : 2009-07-07" at 421,2218 h25 r180; LIB_UNEVALUATED "Rev   : A3" at 421,2258 h25 r180; LIB_UNEVALUATED "Remark: ***" at 421,2298 h25 r180; LIB_UNEVALUATED "Approved" at 153,2380 h35 r180
TP3: LIB_UNEVALUATED "1" at 1316.4,2255 h16; LIB_UNEVALUATED "Creat : Sofer Tech" at 1184,2442 h25; LIB_UNEVALUATED "Sofer Lib Information" at 1154,2532 h25; LIB_UNEVALUATED "Ref PN: ***" at 1184,2482 h25; LIB_UNEVALUATED "Date  : 2009-07-07" at 1184,2402 h25; LIB_UNEVALUATED "Rev   : A3" at 1184,2362 h25; LIB_UNEVALUATED "Remark: ***" at 1184,2322 h25; LIB_UNEVALUATED "Approved" at 1452,2240 h35
TP4: LIB_UNEVALUATED "1" at 1471.4,2255 h16; LIB_UNEVALUATED "Creat : Sofer Tech" at 1339,2442 h25; LIB_UNEVALUATED "Sofer Lib Information" at 1309,2532 h25; LIB_UNEVALUATED "Ref PN: ***" at 1339,2482 h25; LIB_UNEVALUATED "Date  : 2009-07-07" at 1339,2402 h25; LIB_UNEVALUATED "Rev   : A3" at 1339,2362 h25; LIB_UNEVALUATED "Remark: ***" at 1339,2322 h25; LIB_UNEVALUATED "Approved" at 1607,2240 h35
TP5: LIB_UNEVALUATED "Approved" at 1602,2130 h35; LIB_UNEVALUATED "Remark: ***" at 1334,2212 h25; LIB_UNEVALUATED "Rev   : A3" at 1334,2252 h25; LIB_UNEVALUATED "Date  : 2009-07-07" at 1334,2292 h25; LIB_UNEVALUATED "Ref PN: ***" at 1334,2372 h25; LIB_UNEVALUATED "Sofer Lib Information" at 1304,2422 h25; LIB_UNEVALUATED "Creat : Sofer Tech" at 1334,2332 h25; LIB_UNEVALUATED "1" at 1466.4,2145 h16